# Altium PCB Audio_EDU_Mini_Rev1_0.PcbDoc (part 2 of 2)
Units mil, origin at the board's own origin, x right, y up, seen from the top; angles counter-clockwise.
Board outline 2027 x 2700 mil, 4 copper layers (Top Layer, Signal Layer 1, Signal Layer 2, Bottom Layer), stack 64.6 mil thick; 134 components, 88 nets, 470 pads, 185 vias.
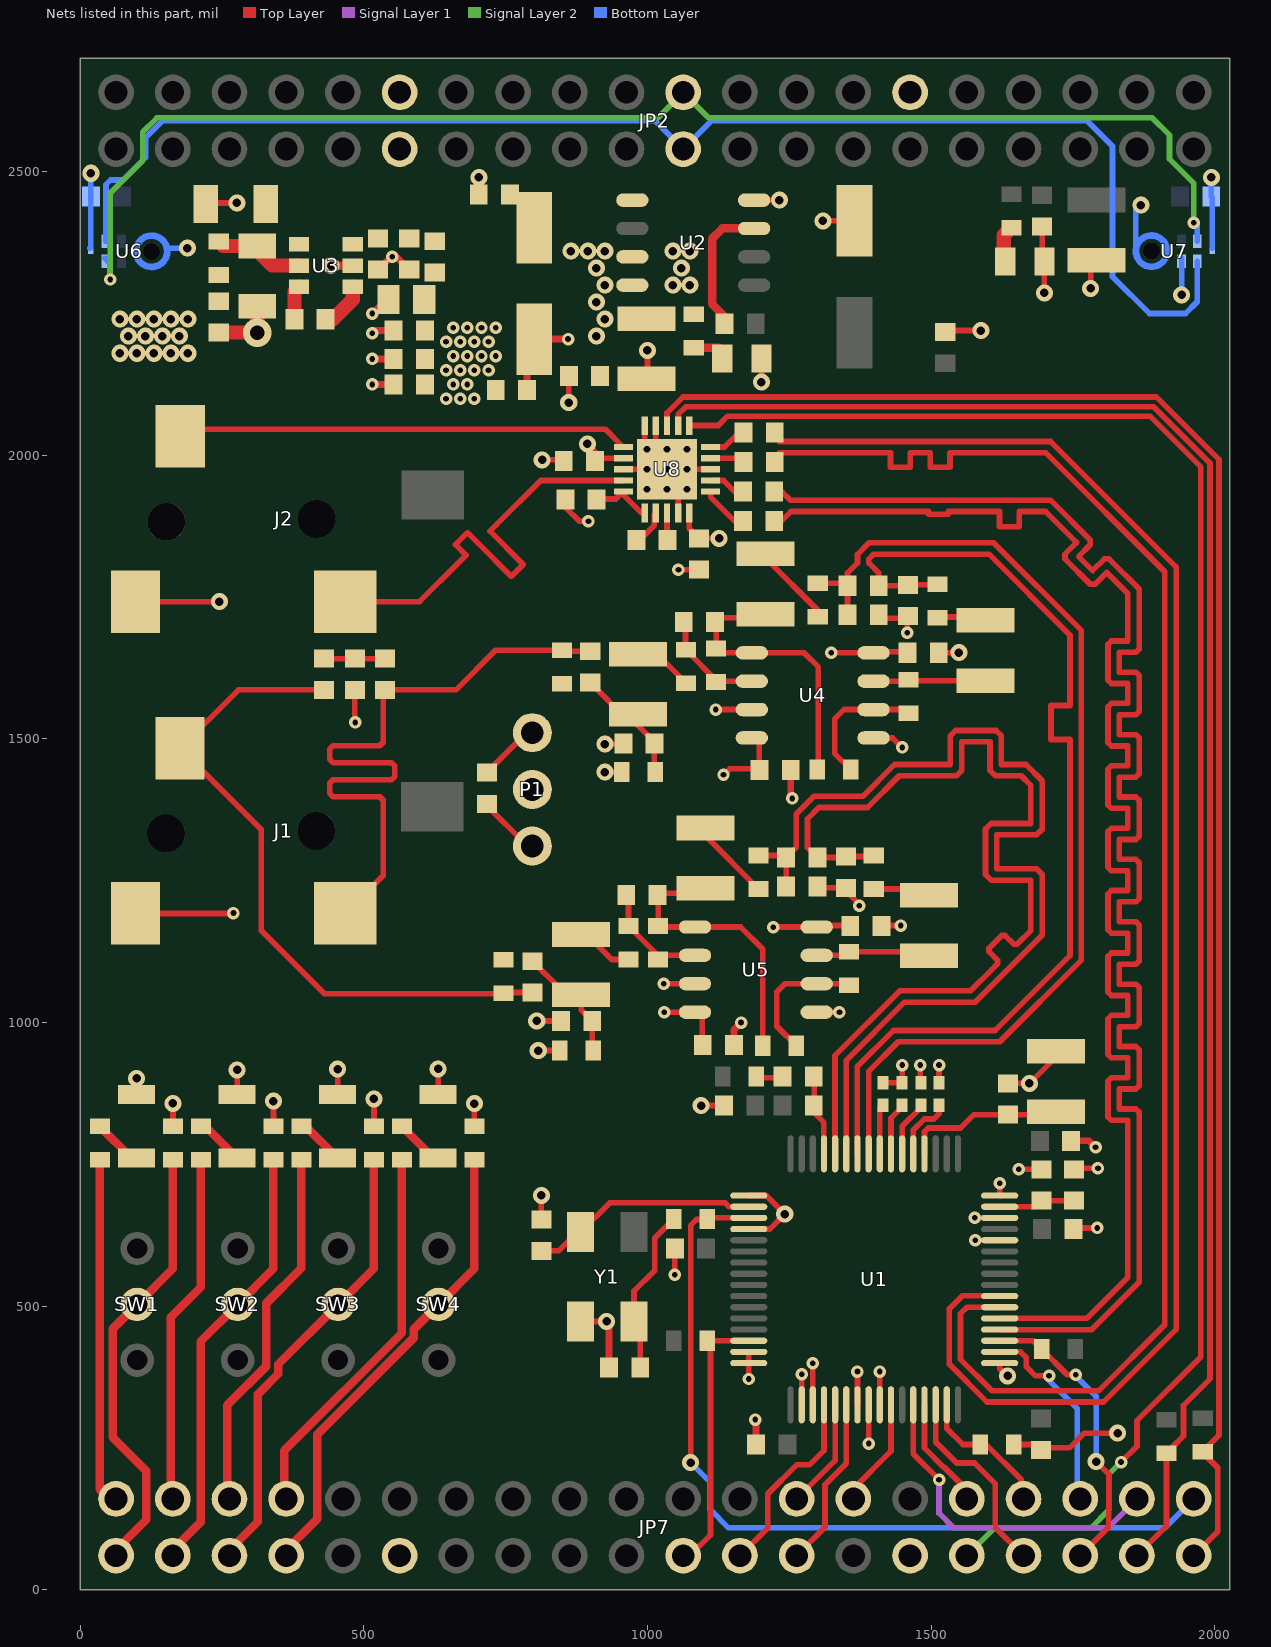
[diagram p4: the nets of this part, all layers, seen from the top]

## Via types
v1: diameter 30, hole 15, Top Layer to Bottom Layer, tented both sides, 99 vias
v2: diameter 22, hole 10, Top Layer to Bottom Layer, tented both sides, 76 vias
v3: diameter 24.02, hole 11.81, Top Layer to Bottom Layer, 9 vias
v4: diameter 50, hole 25, Top Layer to Bottom Layer, tented both sides, 1 vias

## Nets (pads, with @x,y where several pads share a name; then routed paths per layer and width w, separated by ;. In a path a pad name is that pad's centre, name@x,y a point inside that pad or via, vN(x,y) a via of type N, cw(c..) or ccw(c..) an arc to the next point about the centre after c; other vN are vias at no path point) (continued)
+5V0A: C25.2 C26.2 C27.1 C42.2 C48.2 C60.2 C69.2 C73.2 C74.2 FB1.2 P1.3 U4.8 U5.8 U8.12 | length 456.5
  Top Layer w10: C42.2@716.56,1440.56 P1.3@788,1512 ; v1(894,2020) 910.39,2003.61 910.39,1992.13 913.34,1995.08 U8.12@957.04,1995.08 ; v2(1222,1168) 1222.31,1168.32 1285.49,1168.32 1288.24,1171.07 C60.2@1358.32,1171.07 ; v2(1323.97,1651.78) 1385.78,1651.78 1387.55,1653.55 C48.2@1458.61,1653.55
  other v2: 644.83,2100 669.83,2100 694.83,2100 657.33,2125 682.33,2125 644.83,2150 669.83,2150 694.83,2150 719.83,2150 657.33,2175 682.33,2175 707.33,2175 732.33,2175 644.83,2200 669.83,2200 694.83,2200 719.83,2200 657.33,2225 682.33,2225 707.33,2225 732.33,2225
+5V0D: C20.1 C28.1 C29.1 C31.2 C32.2 C64.1 C71.2 C72.2 FB1.1 JP2.11 R7.2 U2.5 U2.7 U2.8 U3.1 U3.6 U8.20 | length 87
  Top Layer w10: U8.20@1073.77,1898.03 1073.77,1870.79 C64.1@1091,1853.56 v1(1126.44,1853.56)
  other v1: 909.83,2210 924.83,2240 909.83,2270 924.83,2300 1044.83,2300 1074.83,2300 909.83,2330 1059.83,2330 864.83,2360 894.83,2360 924.83,2360 1044.83,2360 1074.83,2360
-5V0A: C23.2 C36.2 C51.2 R6.2 U4.4 U5.4 | length 251.4
  Top Layer w10: v2(1029.31,1018.32) 1096.51,1018.32 1096.51,961.43 C51.2@1098.48,959.46 ; v2(1134,1437) 1135,1437 1145.29,1447.29 1198.89,1447.29 1196.8,1449.37 U4.4@1196.8,1501.78
  other v1: 69.83,2180 99.83,2180 129.83,2180 159.83,2180 189.83,2180 84.83,2210 114.83,2210 144.83,2210 174.83,2210 69.83,2240 99.83,2240 129.83,2240 159.83,2240 189.83,2240
\C\L\A\T\C\H: JP7.6 R3.2 U1.35 | length 522.6
  Top Layer w10: U1.35@1621.02,438.98 1680.07,438.98 R3.2@1694.83,424.21 1740.05,379 v2(1755,379) ; JP7.6@1763,60 1813,110 1813,204 v1(1791,226)
  Bottom Layer w10: v2(1755,379) 1755,377 1791,341 v1(1791,226)
ABCLK: JP7.3 U1.28 | length 616.1
  Top Layer w10: U1.28@1468.67,326 1468.67,239.33 v2(1514,194) ; JP7.3@1863,160 JP7.3@1881,178
  Signal Layer 1 w10: v2(1514,194) 1514,135 1540,109 1812,109 JP7.3@1863,160
AGND: C1.1 C4.2 C5.1 C6.1 C7.2 C8.1 C9.2 C10.2 C11.2 C12.2 C13.1 C14.1 C15.2 C16.2 C17.1 C18.2 C19.2 C20.2 C21.2 C22.1 C23.1 C25.1 C26.1 C27.2 C28.2 C29.2 C31.1 C32.1 C33.1 C34.1 C36.1 C37.1 C41.2 C42.1 C45.1 C47.2 C48.1 C51.1 C52.1 C56.2 C59.1 C60.1 C61.1 C62.2 C64.2 C65.2 C69.1 C71.1 C72.1 C73.1 C74.1 D1.2 D2.2 D3.2 D4.2 D5.2 D6.2 J1.1 J2.1 JP2.12 JP2.30 JP7.12 JP7.30 P1.1 R5.1 R11.2 R12.2 R15.2 R16.2 R21.1 R30.1 U1.1 U1.4 U1.15 U1.16 U1.18 U1.19 U1.23 U1.24 U1.25 U1.33 U1.44 U1.46 U1.48 U2.4 U3.5 U4.3 U4.5 U5.3 U5.5 U6.3 U7.2 U7.3 U8.3 U8.9 U8.10 U8.13 U8.19 U8.21 Y1.2 | length 5230.3
  Top Layer w10: J1.1@97.1,1192.33 269.33,1192.33 v2(270,1193) ; J2.1@97.39,1742.13 v1(245.13,1742.13) ; D3.2@99.36,873.03 v1(99.36,901.64) ; R11.2@163.34,816.93 v1(163.34,857.34) ; C20.2@220.85,2443 222.85,2445 v1(276,2445) ; D4.2@276.53,873.03 v1(276.53,916.53) ; R12.2@340.5,816.93 v1(340.5,861.5) ; D5.2@453.69,873.03 v1(453.69,917.69) ; C47.2@484,1586.44 484,1530 v2(485,1529) ; R15.2@517.67,816.93 v1(517.67,865.33) ; D6.2@630.86,873.03 v1(630.86,918.14) ; R16.2@694.83,816.93 v1(694.83,857.17) ; C42.1@714,1385.44 P1.1@787.44,1312 ; P1.1@787.44,1329 P1.1@788,1329 ; v1(804.76,1002.76) C56.2@847.5,1002.76 ; v1(807.4,950.6) R30.1@845.53,950.6 ; C5.1@812.94,652.56 v1(812.94,695.06) ; v1(814.13,1992.13) C69.1@855.27,1992.13 ; C65.2@856.61,1923.11 856.61,1907.36 880.23,1883.74 v2(895.98,1883.74) ; v1(861.17,2092.83) C31.1@861.17,2136.81 ; Y1.2@881.85,472.99 v1(928.01,472.99) ; v1(925,1441.5) R21.1@946.68,1441.5 ; v1(925,1490.71) C41.2@948.65,1490.71 ; U8.13@957.04,1975.39 v3(1034.4,1975.39) ; U8.10@995.03,2052.76 995.03,2014.76 U8.21@1010.78,1999.02 ; C32.1@997.98,2134.84 1000,2136.86 v1(1000,2185) ; U8.9@1014.72,2052.76 1014.72,1995.08 v3(1034.4,1975.39) ; v2(1028.68,1068.32) U5.3@1096.51,1068.32 ; v2(1048.19,555.12) C16.2@1048.19,601.38 ; U8.19@1054.09,1898.03 1054.09,1955.71 v3(1034.4,1975.39) ; v2(1054.56,1798.44) C64.2@1091,1798.44 ; v1(1094.55,853.55) C7.2@1134.78,853.55 ; U8.3@1111.76,1975.39 v3(1034.4,1975.39) ; v2(1120.62,1551.78) U4.3@1196.8,1551.78 ; U2.4@1175.15,2450 v1(1232.43,2450) ; v2(1178.52,371.48) U1.16@1178.52,399.61 U1.15@1178.52,419.29 ; U1.4@1178.52,635.83 1215.83,635.83 v1(1242,662) 1242,662.31 1209.42,694.88 U1.1@1178.52,694.88 ; D1.2@1200.74,2184.06 D1.2@1200.74,2171.06 1201,2170.8 v1(1201,2129) ; U1.18@1271.82,326 v2(1271.82,379.72) ; U5.5@1285.49,1018.32 v2(1338.44,1018.32) ; U1.19@1291.5,326 v2(1291.5,399.5) ; C52.1@1299.57,1239.75 1301.88,1237.44 C59.1@1350,1237.44 1350,1232 1373.15,1208.85 v2@1375.66,1208.85 ; v1(1309.39,2413.39) C19.2@1365.11,2413.39 ; U1.23@1370.24,326 v2(1370.24,384.64) ; U4.5@1385.78,1501.78 1432.22,1501.78 v2(1449,1485) ; v2(1389.93,257.67) U1.24@1389.93,326 ; C37.1@1406.56,1713 1455.44,1713 1458,1710.44 1458,1683 v2(1458,1687) ; U1.25@1409.61,326 v2(1409.61,384.64) ; C60.1@1413.44,1171.07 v2@1446.72,1171.07 ; C9.2@1415,893.69 C10.2@1449,893.69 v2(1449,925) ; v2(1481,925) 1481,894.68 C11.2@1482,893.69 ; C48.1@1513.56,1652 v1(1549,1652) ; C12.2@1514,893.69 v2@1514,924 ; C21.2@1523.57,2219.49 1524.09,2220 v1(1588,2220) ; v2(1576.73,655.51) U1.46@1621.02,655.51 ; v2(1577.71,616.14) U1.44@1621.02,616.14 ; U1.33@1621.02,399.61 1621.02,388.98 1634,376 v1(1635,377) ; U1.48@1621.02,694.88 v2(1621.02,716.54) ; C1.1@1635.7,892.68 v1(1673.31,892.68) 1720,939.37 C4.2@1720,949.15 C4.2@1720,966 ; R5.1@1645.53,256 1687.85,256 1693.85,250 1744,250 1770,276 v1(1829,276) ; v2(1654.49,741.14) C13.1@1694.84,741.14 ; C33.1@1695.82,2403.54 1695.82,2345.47 D2.2@1699.76,2341.54 v1(1699.76,2286.24) ; C15.2@1750.94,637.8 v2(1793.26,637.8) ; C14.1@1751.93,743.11 v2(1794.25,743.11) ; v1(1781.45,2294.45) C34.1@1781.45,2346.46
  Top Layer w11.81: v2(515,2125) C73.1@552.44,2125 ; v2(515,2170) C27.2@552.44,2170 ; v2(515,2215) 520,2220 C26.1@552.44,2220 ; v2(515,2250) 540,2275 C25.1@543.5,2275 ; C71.1@525,2327.44 547.56,2350 v2(550,2350) 552.56,2350 555,2352.44 C72.1@580,2327.44 ; C74.1@787.56,2115 787.56,2192.13 C28.2@800.15,2204.72 800.43,2205 v2(860,2205) ; v1(928.01,472.99) 932.04,468.96 C6.1@932.04,391.73 ; C51.1@1152.56,960 1152.56,987.56 v2(1165,1000) ; v2(1190,300) 1191.44,298.56 C18.2@1191.44,256 ; C36.1@1252.56,1445 1252.56,1397.44 v2(1255,1395) ; C8.1@1747,791.34 1778.66,791.34 v2(1790,780)
  Top Layer w15: v1(442,2334.65) U3.5@480.27,2334.65 ; C29.2@702.71,2460.63 v1(702.71,2490)
  Top Layer w25: C23.1@244.05,2216.54 311.46,2216.54 311.96,2216.04 C22.1@311.96,2262.8
  Bottom Layer w10: 16.68,2365.16 18.65,2367.13 v1(18.65,2497.35) ; 151.53,2365.16 v1(188.84,2365.16) ; U7.3@1861.07,2360 1861.07,2432.07 v1(1870,2441) ; 1861.17,2365.16 1861.65,2365.64 1862,2365.98 ; v1(1941.88,2283.12) U7.2@1941.88,2347.44 ; v1(1994.05,2490.05) C61.1@1994.05,2456.69 1996.02,2454.72 1996.02,2365.16
  other v2: 1514,925 1446.79,1171 1373.15,1205.79
  other v3: 998.97,1939.96 1034.4,1939.96 1069.83,1939.96 998.97,1975.39 1069.83,1975.39 998.97,2010.83 1034.4,2010.83 1069.83,2010.83
  other v4: 312,2216
ALRCLK: JP7.9 U1.29 | length 197.6
  Top Layer w10: U1.29@1488.35,326 1488.35,249.65 1522,216 1523.11,216 1555,184.11 1555,168 JP7.9@1563,160
CCLK: JP7.5 U1.34 | length 353.7
  Top Layer w10: U1.34@1621.02,419.29 1657.71,419.29 1668,409 1668,393 1684,377 v2(1708,377)
  Bottom Layer w10: v2(1708,377) 1708,369 1758,319 1758,165 JP7.5@1763,160
CIN: JP7.8 U1.30 | length 349.1
  Top Layer w10: U1.30@1508.04,326 1508.04,259.6 1509.05,259.6 1545.4,223.25 1576.75,223.25 1613,187 1613,110 JP7.8@1663,60
COUT: JP7.7 R5.2 U1.31 | length 244.4
  Top Layer w10: U1.31@1527.72,326 1527.72,284.24 1556.06,255.91 1597.09,255.91 1659,194 JP7.7@1659,160
DBCLK: JP7.15 U1.21 | length 194.1
  Top Layer w10: JP7.15@1263,160 1330.87,227.87 U1.21@1330.87,326
DIGITAL_MIC_CLK: JP2.21 U6.1 U7.1 | length 2488.3
  Bottom Layer w10: U6.1@45,2377.43 45.4,2377.83 45.4,2477.34 53.47,2485.41 75.41,2485.41 115,2525 115,2560 145,2590 1013,2590 JP2.21@1063,2540 1113,2590 1775,2590 1820,2545 1820,2315 1885,2250 1948.68,2250 1969.34,2270.66 U7.1@1969.34,2342.28
DIGITAL_MIC_DATA: JP2.22 U6.5 U7.5 | length 2404
  Signal Layer 2 w10: v2(53,2310.04) 53,2463 110,2520 110,2570 135,2595 1018,2595 JP2.22@1063,2640 1108,2595 1890,2595 1920.5,2564.5 1920.5,2522.4 1962.97,2479.93 v2(1962.97,2410)
  Bottom Layer w10: U6.5@43.26,2347.44 51.94,2338.76 51.94,2311.09 v2(53,2310.04) ; v2(1962.97,2410) 1965,2410 1969.34,2405.66 U7.5@1969.34,2377.72
DLRCLK: JP7.16 U1.22 | length 302.3
  Top Layer w10: JP7.16@1263,60 1313,110 1313,185 1350.56,222.56 U1.22@1350.56,326
H\E\A\D\P\H\O\N\E\_\P\W\R\_\O\F\F\: JP7.10 U8.6 | length 3136.6
  Top Layer w10: U8.6@1073.77,2052.76 1124.75,2052.76 1141.07,2069.07 1885.93,2069.07 1975.72,1979.28 1975.72,410.72 1863,298 1863,253 v2(1835,225)
  Signal Layer 2 w10: JP7.10@1563,60 1612,109 1782,109 1813,140 1813,203 v2(1835,225)
  Bottom Layer w10: v2@1835,224.13 v2(1835,225)
Headphone_I2C.SCL: JP7.2 R33.1 U8.8 | length 3023.8
  Top Layer w10: U8.8@1034.4,2052.76 1034.4,2074.8 1062.6,2103 1897.25,2103 2007.72,1992.54 2007.72,272.19 R33.1@1979,243.47 ; JP7.2@1963,60 2005.5,102.5 2005.5,214.98 R33.1@1979,241.47
Headphone_I2C.SDA: JP7.4 R34.1 U8.7 | length 2983.3
  Top Layer w10: U8.7@1054.09,2052.76 1054.09,2071.86 1067.86,2085.63 1892,2085.63 1991.72,1985.91 1991.72,371.72 1945,325 1945,270.89 1927.11,253 1926.53,253 1915,241.47 1915,112 JP7.4@1863,60
HEADPHONE_JACK_OUT_L: J2.2 U8.14 | length 796.3
  Top Layer w10: J2.2@467.47,1742.13 598.13,1742.13 668,1812 679.97,1823.97 661.42,1842.52 682.63,1863.73 701.18,1845.18 759.81,1786.55 781.02,1807.77 722.39,1866.39 733,1877 811.71,1955.71 U8.14@957.04,1955.71
HEADPHONE_JACK_OUT_R: J2.3 U8.11 | length 799
  Top Layer w10: J2.3@176.13,2033.46 188.67,2046 925.8,2046 U8.11@957.04,2014.76
HEADPHONE_OUT_DSDATA: JP7.18 U1.20 | length 340.7
  Top Layer w10: JP7.18@1163,60 1212,109 1212,169.1 1262.9,220 1285.7,220 1311.19,245.49 U1.20@1311.19,326
HEADPHONE_OUT_L_N: C66.1 U1.37 | length 2792.2
  Top Layer w10: C66.1@1215.57,1884.26 C66.1@1223.57,1884.26 1236.31,1884.26 1253.05,1901 1445,1901 1495.5,1901 1495.5,1896 1530.5,1896 1530.5,1901 1548,1901 1568,1901 1585.5,1901 1620.5,1901 1620.5,1873.84 1655.5,1873.84 1655.5,1901 1702,1901 1756.59,1846.41 1735.99,1825.8 1735.99,1817.52 1780.73,1772.77 1789.02,1772.77 1809.63,1793.37 1847,1756 1847,1672.64 1817.86,1672.64 1812,1666.78 1812,1603.5 1817.86,1597.64 1847,1597.64 1847,1562.64 1817.86,1562.64 1812,1556.78 1812,1493.5 1817.86,1487.64 1847,1487.64 1847,1452.64 1817.86,1452.64 1812,1446.78 1812,1383.5 1817.86,1377.64 1847,1377.64 1847,1342.64 1817.86,1342.64 1812,1336.78 1812,1273.5 1817.86,1267.64 1847,1267.64 1847,1232.64 1817.86,1232.64 1812,1226.78 1812,1163.5 1817.86,1157.64 1847,1157.64 1847,1122.64 1817.86,1122.64 1812,1116.78 1812,1053.5 1817.86,1047.64 1847,1047.64 1847,1012.64 1817.86,1012.64 1812,1006.78 1812,943.5 1817.86,937.64 1847,937.64 1847,902.64 1817.86,902.64 1812,896.78 1812,833.5 1817.86,827.64 1847,827.64 1847,550.79 1774.56,478.35 U1.37@1621.02,478.35
HEADPHONE_OUT_L_P: C67.1 U1.36 | length 2793.6
  Top Layer w10: C67.1@1215.57,1936.42 C67.1@1223.57,1936.42 1236.31,1936.42 1251.74,1921 1710.28,1921 1780.73,1850.55 1780.73,1842.27 1760.13,1821.66 1784.88,1796.91 1805.48,1817.52 1813.77,1817.52 1867,1764.28 1867,1658.5 1861.14,1652.64 1832,1652.64 1832,1617.64 1861.14,1617.64 1867,1611.78 1867,1548.5 1861.14,1542.64 1832,1542.64 1832,1507.64 1861.14,1507.64 1867,1501.78 1867,1438.5 1861.14,1432.64 1832,1432.64 1832,1397.64 1861.14,1397.64 1867,1391.78 1867,1328.5 1861.14,1322.64 1832,1322.64 1832,1287.64 1861.14,1287.64 1867,1281.78 1867,1218.5 1861.14,1212.64 1832,1212.64 1832,1177.64 1861.14,1177.64 1867,1171.78 1867,1108.5 1861.14,1102.64 1832,1102.64 1832,1067.64 1861.14,1067.64 1867,1061.78 1867,998.5 1861.14,992.64 1832,992.64 1832,957.64 1861.14,957.64 1867,951.78 1867,888.5 1861.14,882.64 1832,882.64 1832,847.64 1861.14,847.64 1867,841.78 1867,542.5 1782.85,458.35 U1.36@1621.02,458.35
HEADPHONE_OUT_R_N: C70.1 U1.39 | length 2834.4
  Top Layer w10: C70.1@1216.49,2040.36 1232.57,2024.28 1710.72,2024.28 1932,1803 1932,458.88 1804.12,331 1598.72,331 1532,397.72 1532,495.07 1554.97,518.03 U1.39@1621.02,518.03
HEADPHONE_OUT_R_P: C68.1 U1.38 | length 2801.9
  Top Layer w10: C68.1@1216.49,1988.19 1232.57,2004.28 1344,2004.28 1428.5,2004.28 1428.5,1979.28 1463.5,1979.28 1463.5,2004.28 1498.5,2004.28 1498.5,1979.28 1533.5,1979.28 1533.5,2004.28 1551,2004.28 1702.44,2004.28 1912,1794.72 1912,467.17 1795.83,351 1607,351 1552,406 1552,486.78 1563.25,498.03 U1.38@1621.02,498.03
LED1: JP7.39 R9.2 | length 606
  Top Layer w15: R9.2@34.4,757.87 34.4,177.16 JP7.39@52.31,159.25
LED2: JP7.37 R10.2 | length 619.7
  Top Layer w15: JP7.37@159.2,160.24 159.2,480.12 212.55,533.46 R10.2@212.55,757.87
LED3: JP7.35 R13.2 | length 651.7
  Top Layer w15: JP7.35@259.2,160.24 259.2,325.46 327.71,393.97 327.71,504.92 389.72,566.93 R13.2@389.72,757.87
LED4: JP7.33 R14.2 | length 683.7
  Top Layer w15: JP7.33@359.2,160.24 359.2,245.08 566.88,452.76 R14.2@566.88,757.87
LINE_IN_DSDATA: JP7.13 U1.26 | length 205.7
  Top Layer w10: JP7.13@1343.67,167.9 JP7.13@1352.31,159.25 ; JP7.13@1363,160 1363,178.01 1429.3,244.31 U1.26@1429.3,326
LINE_IN_INPUT_L: C38.1 C46.2 J1.2 R24.2 | length 1206.8
  Top Layer w10: J1.2@467.18,1192.33 534,1259.15 534,1383 534,1392 528,1398 445.76,1398 439.76,1404 439.76,1422 445.76,1428 534,1428 548.66,1428 554.66,1434 554.66,1452 548.66,1458 534,1458 445.76,1458 439.76,1464 439.76,1482 445.76,1488 528,1488 534,1494 534,1508 534,1586.44 662.44,1586.44 732.53,1656.53 R24.2@849,1656.53 850.97,1654.56 C38.1@899,1654.56
LINE_IN_INPUT_R: C49.1 C53.1 J1.3 R25.1 | length 1206.8
  Top Layer w10: C49.1@434,1586.44 278.61,1586.44 J1.3@175.84,1483.67 319,1340.51 319,1162 430.01,1050.99 745.13,1050.99 747.1,1052.96 C53.1@797.3,1052.96
LINE_IN_L_N: C43.1 C45.2 R23.2 U1.58 | length 1817.9
  Top Layer w10: U1.58@1369.93,768.5 1369.93,922.21 1433.72,986 1612.72,986 1745,1118.28 1745,1482 1745,1499 1711.45,1499 1711.45,1559 1745,1559 1745,1619 1745,1649 1745,1682.72 1601.97,1825.75 1399.02,1825.75 1390.27,1817 1390.27,1810.27 1407.83,1792.71 C43.1@1407.83,1769.99 1457.71,1769.99 C45.2@1459.27,1771.55 1510.31,1771.55 R23.2@1511.27,1772.52
LINE_IN_L_P: C37.2 C43.2 R19.2 U1.57 | length 1817.9
  Top Layer w10: R19.2@1300.27,1774.52 1348.19,1774.52 C43.2@1352.71,1769.99 ; C37.2@1352.71,1718.99 C43.2@1352.71,1769.99 ; U1.57@1389.93,768.5 1389.93,913.93 1442,966 1621,966 1765,1110 1765,1691 1610.25,1845.75 1390.74,1845.75 1370.27,1825.28 1370.27,1810.27 1352.71,1792.71 C43.2@1352.71,1769.99
LINE_IN_R_N: C57.1 C59.2 R32.2 U1.60 | length 1782.5
  Top Layer w10: U1.60@1330.56,768.5 1330.56,941.56 1445,1056 1569.72,1056 1606.36,1092.64 1617.67,1103.96 1617.67,1109.61 1602.12,1125.17 1602.12,1130.83 1624.74,1153.45 1630.4,1153.45 1645.96,1137.9 1651.61,1137.9 1676,1162.28 1676,1251 1605.86,1251 1596,1260.86 1596,1341.14 1605.86,1351 1676,1351 1676,1418 1659,1435 1613.36,1435 1604,1444.36 1604,1495 1554,1495 1554,1444.36 1544.64,1435 1444,1435 1388,1379 1302,1379 1282,1359 1282,1308.56 C57.1@1299.56,1291 1348.44,1291 C59.2@1350,1292.56 1397.03,1292.56 R32.2@1399,1294.53
LINE_IN_R_P: C52.2 C57.2 R28.2 U1.59 | length 1798.4
  Top Layer w10: R28.2@1196,1294.53 1240.91,1294.53 C57.2@1244.44,1291 ; C52.2@1244.45,1239.75 C57.2@1244.44,1291 ; U1.59@1350.56,768.5 1350.56,933.27 1453.28,1036 1578,1036 1696,1154 1696,1261.14 1686.14,1271 1616,1271 1616,1331 1686.14,1331 1696,1340.86 1696,1426.28 1667.28,1455 1624,1455 1624,1505.64 1614.64,1515 1543.36,1515 1534,1505.64 1534,1455 1435.72,1455 1379.72,1399 1293.72,1399 1262,1367.28 1262,1308.56 C57.2@1244.44,1291
MCLKO: JP7.1 R2.2 U1.3 | length 1510
  Top Layer w10: v1(1076,224) 1076,641.99 1086.57,652.56 1104.29,652.56 R2.2@1105.27,653.55 1107.24,655.51 U1.3@1178.52,655.51
  Bottom Layer w10: v1(1076,224) 1110,190 1110,142 1143,109 1912,109 JP7.1@1963,160
NetC1_2: C1.2 C4.1 U1.52 | length 285.2
  Top Layer w10: U1.52@1488.35,768.5 1488.35,807.35 1495,814 1552,814 1575.57,837.57 C1.2@1635.7,837.57 1714.72,837.57 C4.1@1720,842.85
NetC2_2: C2.2 C3.2 U1.61 | length 130.3
  Top Layer w10: C3.2@1294.24,891.73 1294.24,840.55 1310.98,823.81 1310.98,768.7 U1.61@1311.19,768.5
NetC3_1: C3.1 R1.2 | length 46.3
  Top Layer w10: R1.2@1192.87,902.73 C3.1@1239.13,902.73
NetC5_2: C5.2 U1.2 Y1.1 | length 406.2
  Top Layer w10: C5.2@812.94,597.44 842.91,597.44 878.89,633.42 Y1.1@881.85,630.47 933.64,682.26 1064.55,682.26 1064.73,682.09 1086.76,682.09 1086.94,682.26 1136.86,682.26 1143.92,675.2 U1.2@1178.52,675.2
NetC6_2: C6.2 R2.1 Y1.3 | length 295.2
  Top Layer w10: C6.2@987.16,391.73 987.16,445 976.34,455.82 Y1.3@976.34,472.99 976.34,526.58 1012.75,562.99 1012.75,620.08 R2.1@1046.22,653.55
NetC9_1: C9.1 U1.56 | length 91
  Top Layer w10: U1.56@1409.61,768.5 1409.61,851.93 C9.1@1415,857.32
NetC10_1: C10.1 U1.55 | length 97
  Top Layer w10: U1.55@1429.3,768.5 1429.3,831.4 1449,851.11 C10.1@1449,854.32 C10.1@1449,857.32
NetC11_1: C11.1 U1.54 | length 102.5
  Top Layer w10: U1.54@1448.98,768.5 1448.98,817.09 1482,850.11 C11.1@1482,854.32 C11.1@1482,857.32
NetC12_1: C12.1 U1.53 | length 117.3
  Top Layer w10: U1.53@1468.67,768.5 1468.67,810.3 1488.37,830 1505,830 1514,839 C12.1@1514,854.32 C12.1@1514,857.32
NetC13_2: C13.2 C14.2 U1.47 | length 135.4
  Top Layer w10: U1.47@1621.02,675.2 1684.01,675.2 C13.2@1694.84,686.03 C14.2@1751.93,686.03
NetC22_2: C22.2 R6.1 U3.2 | length 163.9
  Top Layer w25: R6.1@244.05,2376.97 251.92,2369.09 C22.2@311.96,2369.09 311.96,2361.22 338.54,2334.65 U3.2@385.78,2334.65
NetC24_2: C24.2 U2.3 | length 214.5
  Top Layer w15: C24.2@1135.78,2245.08 1114,2266.86 1114,2382 1132,2400 U2.3@1175.15,2400
NetC30_1: C30.1 U3.4 | length 84.5
  Top Layer w25: C30.1@432.56,2240 445.31,2240 480.27,2274.95 U3.4@480.27,2297.24
NetC30_2: C30.2 U3.3 | length 60.7
  Top Layer w25: C30.2@377.44,2240 377.44,2288.91 U3.3@385.78,2297.24
NetC35_1: C35.1 R17.1 R18.2 U4.2 | length 205.6
  Top Layer w10: C35.1@1064.04,1706.15 1066.88,1703.31 1066.88,1657.48 1121,1603.36 R17.1@1121,1600.47 1122.3,1601.78 U4.2@1196.8,1601.78
NetC35_2: C35.2 C40.1 R17.2 R20.1 U4.1 | length 513.4
  Top Layer w10: C40.1@1207,1713.85 1126.87,1713.85 C35.2@1119.16,1706.15 1117.19,1704.18 1121,1700.37 R17.2@1121,1659.53 1128.75,1651.78 1196.8,1651.78 1276.29,1651.78 1301.25,1626.81 R20.1@1301.25,1447.29
NetC38_2: C38.2 C39.1 C41.1 R21.2 | length 218
  Top Layer w10: C38.2@899,1599.44 964.97,1533.47 983.22,1533.47 983.22,1523.78 1012,1495 1012,1447.76 R21.2@1005.74,1441.5
NetC39_2: C39.2 R18.1 | length 105.8
  Top Layer w10: C39.2@983.22,1649.61 1016.68,1649.61 R18.1@1067.86,1598.43
NetC40_2: C40.2 R19.1 | length 143.3
  Top Layer w10: C40.2@1207,1820.15 1300.27,1726.88 R19.1@1300.27,1715.47
NetC44_1: C44.1 R22.2 U4.7 | length 214.5
  Top Layer w10: U4.7@1385.78,1601.78 1454.25,1601.78 1460,1607.53 1464.68,1602.85 C44.1@1596,1602.85
NetC44_2: C44.2 R23.1 | length 91.5
  Top Layer w10: R23.1@1510,1707.47 1517.53,1715 1590.15,1715 C44.2@1596,1709.15
NetC46_1: C46.1 C47.1 C49.2 | length 100
  Top Layer w10: C49.2@434,1641.56 C47.1@484,1641.56 C46.1@534,1641.56
NetC50_1: C50.1 C55.1 R26.2 R29.1 U5.1 | length 507
  Top Layer w10: C55.1@1103,1227.85 1030.26,1227.85 1020.72,1218.32 1018.76,1216.35 R26.2@1018.76,1170.09 1020.53,1168.32 1096.51,1168.32 1164.23,1168.32 1203.47,1129.07 R29.1@1203.47,959
NetC50_2: C50.2 R26.1 R27.2 U5.2 | length 210.1
  Top Layer w10: C50.2@965.61,1218.32 966.59,1217.33 R27.2@966.59,1170.09 1018.76,1117.92 R26.1@1018.76,1111.03 1026.04,1118.32 U5.2@1096.51,1118.32
NetC53_2: C53.2 C54.1 C56.1 R30.2 | length 223.3
  Top Layer w10: C53.2@797.3,1108.08 846.51,1058.87 882.93,1058.87 882.93,1022.45 C56.1@902.61,1002.76 902.61,952.57 R30.2@904.58,950.6
NetC54_2: C54.2 R27.1 | length 106.1
  Top Layer w10: C54.2@882.93,1165.17 937.06,1111.03 R27.1@966.59,1111.03
NetC55_2: C55.2 R28.1 | length 137.2
  Top Layer w10: C55.2@1103,1334.15 1103,1328.47 R28.1@1196,1235.47
NetC58_1: C58.1 R31.2 U5.7 | length 215.9
  Top Layer w10: U5.7@1285.49,1118.32 1348.79,1118.32 R31.2@1355,1124.53 1489.32,1124.53 C58.1@1496,1117.85
NetC58_2: C58.2 R32.1 | length 101.7
  Top Layer w10: R32.1@1399,1235.47 1484.68,1235.47 C58.2@1496,1224.15
NetC63_1: C63.1 U8.18 | length 47.5
  Top Layer w10: U8.18@1034.4,1898.03 1034.4,1852.16 C63.1@1035.56,1851
NetC63_2: C63.2 U8.17 | length 64.8
  Top Layer w10: C63.2@980.44,1851 986.54,1851 1011.94,1876.4 1011.94,1895.25 U8.17@1014.72,1898.03
NetC65_1: C65.1 U8.15 U8.16 | length 106.9
  Top Layer w10: C65.1@911.72,1923.11 944.13,1923.11 U8.15@957.04,1936.02 ; U8.15@957.63,1936.02 957.63,1930.31 989.32,1898.62 U8.16@995.03,1898.62
NetC66_2: C66.2 U8.1 | length 81.8
  Top Layer w10: U8.1@1111.76,1936.02 1111.76,1925.94 C66.2@1162.45,1875.26
NetC67_2: C67.2 U8.2 | length 62.4
  Top Layer w10: U8.2@1111.76,1955.71 1134.16,1955.71 C67.2@1162.45,1927.42
NetC68_2: C68.2 U8.4 | length 52.5
  Top Layer w10: U8.4@1111.76,1995.08 1154.49,1995.08 C68.2@1161.37,1988.19
NetC70_2: C70.2 U8.5 | length 60.2
  Top Layer w10: U8.5@1111.76,2014.76 1135.78,2014.76 C70.2@1161.37,2040.36
NetD1_1: D1.1 R7.1 | length 52.6
  Top Layer w15: R7.1@1081.65,2189.96 1125.94,2189.96 D1.1@1131.84,2184.06
NetD2_1: D2.1 R8.1 | length 72.2
  Top Layer w25: D2.1@1628,2335 1628,2387.89 R8.1@1641.68,2401.57
NetD3_1: D3.1 R9.1 | length 97.1
  Top Layer w10: R9.1@34.4,816.93 R9.1@43.26,816.93
  Top Layer w15: R9.1@34.4,816.93 90.5,760.83 D3.1@99.36,760.83
NetD4_1: D4.1 R10.1 | length 95.1
  Top Layer w10: D4.1@268.65,760.83 D4.1@276.53,760.83
  Top Layer w15: R10.1@212.55,816.93 220.43,816.93 D4.1@276.53,760.83
NetD5_1: D5.1 R13.1 | length 87.2
  Top Layer w15: R13.1@389.72,816.93 397.59,816.93 D5.1@453.69,760.83
NetD6_1: D6.1 R14.1 | length 87.2
  Top Layer w15: R14.1@566.88,816.93 622.98,760.83 D6.1@630.86,760.83
NetP1_2: P1.2 R24.1 R25.2
NetR20_2: R20.2 R22.1 U4.6 | length 241.6
  Top Layer w10: R20.2@1358.53,1446 1330,1474.53 1330,1535 1346.78,1551.78 1385.78,1551.78 1450.7,1551.78 R22.1@1460,1542.47
NetR29_2: R29.2 R31.1 U5.6 | length 243.4
  Top Layer w10: R29.2@1262.53,959 1228,993.53 1228,1054 1242.31,1068.32 1285.49,1068.32 1352.16,1068.32 R31.1@1355,1065.47
R\S\T\_\C\O\D\E\C\: JP7.20 R4.2 U1.14 | length 481.2
  Top Layer w10: JP7.20@1063,60 1074.43,60 1111,96.57 1111,433.25 R4.2@1105.27,438.98 U1.14@1178.52,438.98
SW1: JP7.40 R11.1 SW1.2 | length 800.1
  Top Layer w10: SW1.2@82.63,514.86 SW1.2@89.52,514.86
  Top Layer w15: JP7.40@52.31,59.25 116,122.94 116,209.74 57.32,268.42 57.32,460.02 SW1.2@100.35,503.05 163.34,566.04 R11.1@163.34,757.87
SW2: JP7.38 R12.1 SW2.2 | length 776.6
  Top Layer w15: JP7.38@152.31,59.25 212,118.94 212,437.54 SW2.2@277.51,503.05 340.5,566.04 R12.1@340.5,757.87
SW3: JP7.36 R15.1 SW3.2 | length 810.5
  Top Layer w10: SW3.2@439.91,514.86 SW3.2@441.88,514.86
  Top Layer w15: JP7.36@252.31,59.25 313,119.94 313,344.54 349.36,380.91 349.36,397.73 SW3.2@454.68,503.05 517.67,566.04 R15.1@517.67,757.87
SW4: JP7.34 R16.1 SW4.2 | length 844.4
  Top Layer w10: SW4.2@611.17,515.84 SW4.2@615.11,515.84
  Top Layer w15: JP7.34@352.31,59.25 418,124.94 418,274.18 587.88,444.06 587.88,459.09 SW4.2@631.84,503.05 694.83,566.04 R16.1@694.83,757.87
pads on no net: J1.0 J1.4 J2.0 J2.4 JP2.1 JP2.2 JP2.3 JP2.4 JP2.5 JP2.6 JP2.7 JP2.8 JP2.9 JP2.10 JP2.13 JP2.14 JP2.15 JP2.16 JP2.17 JP2.18 JP2.19 JP2.20 JP2.23 JP2.24 JP2.25 JP2.26 JP2.27 JP2.28 JP2.31 JP2.32 JP2.33 JP2.34 JP2.35 JP2.36 JP2.37 JP2.38 JP2.39 JP2.40 JP7.11 JP7.14 JP7.17 JP7.19 JP7.21 JP7.22 JP7.23 JP7.24 JP7.25 JP7.26 JP7.27 JP7.28 JP7.29 JP7.31 JP7.32 SW1.3 SW2.3 SW3.3 SW4.3 U1.6 U1.7 U1.8 U1.9 U1.10 U1.11 U1.12 U1.13 U1.27 U1.40 U1.41 U1.42 U1.43 U1.49 U1.50 U1.63 U1.64 U2.6 U6. U7. Y1.4
copper on no net: | length 41.8
  Top Layer w10: v2(934.56,630.47) 976.34,630.47

## Polygon pours and split planes (outlines as drawn)
NetP1_2 on Top Layer "Top Layer-NetP1_2" (solid, pour order 68): 820,1490 820,1615 903,1615 903,1127 770,1127 770,1083 716,1083 716,1294 824,1294 824,1368 750,1368 750,1490
+5V0D on Top Layer "+5V0D_L01_P028" (solid, pour order 28): 312,2590 312,2404 362,2404 362,2355 707,2355 707,2315 892,2315 892,2110 940,2110 940,2205 1052,2205 1052,2220 1099,2220 1099,2590
+5V0A on Top Layer "NONET_L01_P030" (solid, pour order 30): 585,2335 585,2076 752,2076 752,2295 697,2295 697,2335
+3V3D on Top Layer "+3V3D_L01_P036" (solid, pour order 36): 1417,2590 1417,2405 1602,2405 1602,2430 1722,2430 1722,2400 1965,2400 1965,2590
+3V3A on Top Layer "+3V3A_L01_P034" (solid, pour order 34): 1130,2370 1130,2280 1167,2280 1167,2220 1242,2220 1242,2145 1547,2145 1547,2197 1495,2197 1495,2325 1252,2325 1252,2370
-5V0A on Top Layer "-5V0A_L01_P032" (solid, pour order 32): 268,2340 177,2340 177,2298 10,2298 10,2137 216,2137 216,2237 268,2237
+3V3A on Signal Layer 2 "+3V3A_L03_P040" (solid, pour order 40): 1956.81,2361 1950.49,523 777,523 777,703 493,703 493,2361
+3V3D on Signal Layer 2 "+3V3D_L03_P038" (solid, pour order 38): 1934.16,2595 72,2595 72,177 1980,177 1980,500 753,500 753,676 452,676 452,2380 1931.01,2380
-5V0A on Bottom Layer "-5V0A_L04_P046" (solid, pour order 46): 1167,1451.74 1167,214.13 52,214.13 52,2275 494,2275 494,1451.74
+5V0D on Bottom Layer "+5V0D_L04_P056" (solid, pour order 56): 1042.78,1815 1820,1815 1820,2470 832,2470 832,2111 1040.33,2111
+5V0A on Bottom Layer "NONET_L04_P044" (solid, pour order 44): 1968.27,217 1968.27,1800 1027.36,1800 1027.36,2074.8 815,2074.8 815,2470 518,2470 518,1466 1180,1466 1180,217
AGND on Signal Layer 1 "AGND_L02_P062" (solid, pour order 62): 2015,235 1775,235 1775,440 755,440 755,1010 215,1010 215,2308 920,2308 920,2110 1148,2110 1148,2486 1405,2486 1405,2235 2015,2235
AGND on Signal Layer 1 "AGND_L02_P058" (solid, pour order 58): 8,3 8,2686 2014,2686 2014,2260 1434,2260 1434,2510 1119,2510 1119,2125 949,2125 949,2343 184,2343 184,979.17 729.83,979.17 734,975 734,710 734,425 1744,425 1744,230 1503.09,230 1503.09,3
AGND on Signal Layer 1 "AGND_L02_P048" (solid, pour order 48): 1620,2302 1620,2227.36 1755,2227.36 1755,2302

## Silkscreen, mask and mechanical layers (free items; w line width, h text height)
Top Overlay:
  circle w10: c1063,2640 r41.87
  circle w10: c1063,2540 r41.87
  circle w10: c1963,60 r41.87
  circle w10: c1963,160 r41.87
  circle w10: c1863,160 r41.87
  circle w10: c1863,60 r41.87
  circle w10: c1763,60 r41.87
  circle w10: c1763,160 r41.87
  circle w10: c1663,160 r41.87
  circle w10: c1663,60 r41.87
  circle w10: c1563,60 r41.87
  circle w10: c1563,160 r41.87
  circle w10: c1263,160 r41.87
  circle w10: c1363,160 r41.87
  circle w10: c1263,60 r41.87
  circle w10: c1163,60 r41.87
  circle w10: c1063,60 r41.87
  circle w10: c263,60 r41.87
  circle w10: c363,60 r41.87
  circle w10: c363,160 r41.87
  circle w10: c263,160 r41.87
  circle w10: c163,160 r41.87
  circle w10: c163,60 r41.87
  circle w10: c63,60 r41.87
  circle w10: c63,160 r41.87
  lines w6: 842,1310 860,1310 ; 860,1290 860,1330 ; 868,1296 868,1326 ; 876,1301 876,1321 ; 884,1305 884,1315
  lines w10: 523.26,2501 602,2501 602,2581 523.26,2581 523.26,2501 ; 523.35,20.67 602.09,20.67 602.09,100 523.35,100 523.35,20.67 ; 523.35,120.67 602.09,120.67 602.09,200 523.35,200 523.35,120.67 ; 524.26,2601 603,2601 603,2680 524.26,2680 524.26,2601 ; 1424.24,2501.23 1502.98,2501.23 1502.98,2584 1424.24,2584 1424.24,2501.23 ; 1424.24,2600 1502.98,2600 1502.98,2679 1424.24,2679 1424.24,2600 ; 1424.35,19 1424.35,101 1503.09,101 1503.09,19 1424.35,19 ; 1424.35,120 1503.09,120 1503.09,198.77 1424.35,198.77 1424.35,120
  text "39" at 1925,2434 h40
  text "1" at 40.81,2432.78 h40
  text "11" at 505,2430 h40
  text "+3.3V" at 1615,2255 h40
  text "Audio EDU Mini / Rev: 1.0 / flat earth inc" at 1701,2108 h50
  text "+5V0" at 1104,2100 h40
  text "Audio Out:  / Headphone" at 816,1674 h75 r90
  text "5V" at 891,1494 h40 r90
  text "Vcm" at 890,1355 h40 r90
  text "Audio EDU Mini 1.0" at 2021,1089 h60 r90
  text "Audio Input: / Line In" at 308,988 h75
  text "21" at 932.04,226.38 h40
  text "3" at 1851,226 h40
  text "11" at 1435.98,225.39 h40
BoardOutline:
  the board outline again, w10
StackUp:
  drawing of 475 lines, arcs and shapes, not listed
  text "Layer" at 2337.5,7441.59 h60
  text "Name" at 2747.41,7441.59 h60
  text "Material" at 3687.16,7441.59 h60
  text "Thickness" at 4546.92,7441.59 h60
  text "Constant" at 5196.76,7441.59 h60
  text "Board Layer Stack" at 5766.62,7441.59 h60
  text "Top Overlay" at 2747.41,7321.59 h60
  text "Top Solder" at 2747.41,7201.59 h60
  text "Solder Resist" at 3687.16,7201.59 h60
  text "1.00mil" at 4546.92,7201.59 h60
  text "3.5" at 5196.76,7201.59 h60
  text "1" at 2337.5,7081.59 h60
  text "Top Layer" at 2747.41,7081.59 h60
  text "Copper" at 3687.16,7081.59 h60
  text "1.40mil" at 4546.92,7081.59 h60
  text "Dielectric 1" at 2747.41,6961.59 h60
  text "FR-4" at 3687.16,6961.59 h60
  text "6.70mil" at 4546.92,6961.59 h60
  text "4.5" at 5196.76,6961.59 h60
  text "2" at 2337.5,6841.59 h60
  text "Signal Layer 1" at 2747.41,6841.59 h60
  text "Copper" at 3687.16,6841.59 h60
  text "0.70mil" at 4546.92,6841.59 h60
  text "Dielectric 5" at 2747.41,6721.59 h60
  text "47.00mil" at 4546.92,6721.59 h60
  text "4.2" at 5196.76,6721.59 h60
  text "3" at 2337.5,6601.59 h60
  text "Signal Layer 2" at 2747.41,6601.59 h60
  text "Copper" at 3687.16,6601.59 h60
  text "0.70mil" at 4546.92,6601.59 h60
  text "Dielectric 4" at 2747.41,6481.59 h60
  text "FR-4" at 3687.16,6481.59 h60
  text "6.70mil" at 4546.92,6481.59 h60
  text "4.2" at 5196.76,6481.59 h60
  text "4" at 2337.5,6361.59 h60
  text "Bottom Layer" at 2747.41,6361.59 h60
  text "Copper" at 3687.16,6361.59 h60
  text "1.40mil" at 4546.92,6361.59 h60
  text "Bottom Solder" at 2747.41,6241.59 h60
  text "Solder Resist" at 3687.16,6241.59 h60
  text "1.00mil" at 4546.92,6241.59 h60
  text "3.5" at 5196.76,6241.59 h60
  text "Bottom Overlay" at 2747.41,6121.59 h60
Drill Drawing:
  circle w10: c2365.62,230.83 r33.33
  lines w10: 2332.29,347.5 2332.29,364.17 2348.96,380.83 2332.29,397.5 2332.29,414.17 2348.96,414.17 2365.62,397.5 2382.29,414.17 2398.96,414.17 2398.96,397.5 2382.29,380.83 2398.96,364.17 2398.96,347.5 2382.29,347.5 2365.62,364.17 2348.96,347.5 2332.29,347.5 ; 2332.29,530.83 2365.62,497.5 2398.96,530.83 2365.62,564.17 2332.29,530.83 ; 2332.29,714.17 2398.96,714.17 2365.62,647.5 2332.29,714.17 ; 2332.29,864.17 2398.96,864.17 2365.62,797.5 2332.29,864.17 ; 2332.29,964.17 2348.96,964.17 2365.62,947.5 2382.29,964.17 2398.96,964.17 2382.29,980.83 2398.96,997.5 2382.29,997.5 2365.62,1014.17 2348.96,997.5 2332.29,997.5 2348.96,980.83 2332.29,964.17 ; 2332.29,1114.17 2348.96,1114.17 2365.62,1097.5 2382.29,1114.17 2398.96,1114.17 2382.29,1130.83 2398.96,1147.5 2382.29,1147.5 2365.62,1164.17 2348.96,1147.5 2332.29,1147.5 2348.96,1130.83 2332.29,1114.17 ; 2332.29,1247.5 2398.96,1247.5 2398.96,1314.17 2332.29,1314.17 2332.29,1247.5 ; 2345.62,700.83 2385.62,700.83 2365.62,660.83 2345.62,700.83 ; 2345.62,970.83 2355.62,970.83 2365.62,960.83 2375.62,970.83 2385.62,970.83 2375.62,980.83 2385.62,990.83 2375.62,990.83 2365.62,1000.83 2355.62,990.83 2345.62,990.83 2355.62,980.83 2345.62,970.83
  lines w15: 2272.5,152.5 13033.51,152.5 ; 2272.5,1352.5 13033.51,1352.5 ; 2823.38,2.5 2823.38,1502.5 ; 3423.22,2.5 3423.22,1502.5 ; 4522.9,2.5 4522.9,1502.5 ; 5028.77,2.5 5028.77,1502.5 ; 5762.57,2.5 5762.57,1502.5 ; 7262.13,2.5 7262.13,1502.5 ; 7851.97,2.5 7851.97,1502.5 ; 8597.77,2.5 8597.77,1502.5 ; 9467.53,2.5 9467.53,1502.5 ; 10321.29,2.5 10321.29,1502.5 ; 11654.9,2.5 11654.9,1502.5 ; 2272.5,2.5 13033.51,2.5 13033.51,1502.5 2272.5,1502.5 2272.5,2.5
  text "Symbol" at 2362.5,1397.5 h72
  text "Count" at 2868.38,1397.5 h72
  text "Hole Size" at 3468.22,1397.5 h72
  text "Plated" at 4567.9,1397.5 h72
  text "Hole Type" at 5073.77,1397.5 h72
  text "Drill Layer Pair" at 5807.57,1397.5 h72
  text "Via/Pad" at 7307.13,1397.5 h72
  text "Pad Shape" at 7896.97,1397.5 h72
  text "Template" at 8642.77,1397.5 h72
  text "Description" at 9512.53,1397.5 h72
  text "Hole Tolerance (+)" at 10366.29,1397.5 h72
  text "Hole Tolerance (-)" at 11699.9,1397.5 h72
  text "1" at 2868.38,1247.5 h60
  text "25.00mil (0.635mm)" at 3468.22,1247.5 h60
  text "PTH" at 4567.9,1247.5 h60
  text "Round" at 5073.77,1247.5 h60
  text "Top Layer - Bottom Layer" at 5807.57,1247.5 h60
  text "Via" at 7307.13,1247.5 h60
  text "Rounded" at 7896.97,1247.5 h60
  text "v127h64" at 8642.77,1247.5 h60
  text "2" at 2868.38,1097.5 h60
  text "30.00mil (0.762mm)" at 3468.22,1097.5 h60
  text "NPTH" at 4567.9,1097.5 h60
  text "Round" at 5073.77,1097.5 h60
  text "Top Layer - Bottom Layer" at 5807.57,1097.5 h60
  text "Pad" at 7307.13,1097.5 h60
  text "Rounded" at 7896.97,1097.5 h60
  text "c76hn76m76p76" at 8642.77,1097.5 h60
  text "4" at 2868.38,947.5 h60
  text "66.93mil (1.700mm)" at 3468.22,947.5 h60
  text "NPTH" at 4567.9,947.5 h60
  text "Round" at 5073.77,947.5 h60
  text "Top Layer - Bottom Layer" at 5807.57,947.5 h60
  text "Pad" at 7307.13,947.5 h60
  text "Rounded" at 7896.97,947.5 h60
  text "c170hn170" at 8642.77,947.5 h60
  text "9" at 2868.38,797.5 h60
  text "11.81mil (0.300mm)" at 3468.22,797.5 h60
  text "PTH" at 4567.9,797.5 h60
  text "Round" at 5073.77,797.5 h60
  text "Top Layer - Bottom Layer" at 5807.57,797.5 h60
  text "Via" at 7307.13,797.5 h60
  text "Rounded" at 7896.97,797.5 h60
  text "v61h30" at 8642.77,797.5 h60
  text "12" at 2868.38,647.5 h60
  text "35.43mil (0.900mm)" at 3468.22,647.5 h60
  text "PTH" at 4567.9,647.5 h60
  text "Round" at 5073.77,647.5 h60
  text "Top Layer - Bottom Layer" at 5807.57,647.5 h60
  text "Pad" at 7307.13,647.5 h60
  text "Rounded" at 7896.97,647.5 h60
  text "c150h90" at 8642.77,647.5 h60
  text "76" at 2868.38,497.5 h60
  text "10.00mil (0.254mm)" at 3468.22,497.5 h60
  text "PTH" at 4567.9,497.5 h60
  text "Round" at 5073.77,497.5 h60
  text "Top Layer - Bottom Layer" at 5807.57,497.5 h60
  text "Via" at 7307.13,497.5 h60
  text "Rounded" at 7896.97,497.5 h60
  text "(Mixed)" at 8642.77,497.5 h60
  text "83" at 2868.38,347.5 h60
  text "40.16mil (1.020mm)" at 3468.22,347.5 h60
  text "PTH" at 4567.9,347.5 h60
  text "Round" at 5073.77,347.5 h60
  text "Top Layer - Bottom Layer" at 5807.57,347.5 h60
  text "Pad" at 7307.13,347.5 h60
  text "Rounded" at 7896.97,347.5 h60
  text "(Mixed)" at 8642.77,347.5 h60
  text "99" at 2868.38,197.5 h60
  text "15.00mil (0.381mm)" at 3468.22,197.5 h60
  text "PTH" at 4567.9,197.5 h60
  text "Round" at 5073.77,197.5 h60
  text "Top Layer - Bottom Layer" at 5807.57,197.5 h60
  text "Via" at 7307.13,197.5 h60
  text "Rounded" at 7896.97,197.5 h60
  text "v76h38" at 8642.77,197.5 h60
  text "286 Total" at 2868.38,47.5 h60

## Dimensions
0,0 to 0,2700 on Dimensions
0,0 to 2027,0 on Dimensions

## Text inside footprints (layer, text, board x,y; h text height)
U6: Mechanical 15 "No Exposed / Copper" at 40.08,2318.38 h6.69 r180; Mechanical 15 "No Exposed / Copper" at 40.08,2414.83 h6.69 r180
U7: Mechanical 15 "No Exposed / Copper" at 1974.26,2304.88 h6.69; Mechanical 15 "No Exposed / Copper" at 1974.26,2401.34 h6.69